# Altium PCB EVB-ANNA-B5x1_Certifi.PcbDoc (part 5 of 6)
Units mm, origin at the board's own origin, x right, y up, seen from the top; angles counter-clockwise.
Board outline 100 x 70 mm, 6 copper layers (L1, L2, L3, L4, L5, L6), stack 1.547 mm thick; 490 components, 296 nets, 1421 pads, 1473 vias.
Unrouted connection lines stored in the file: 3.
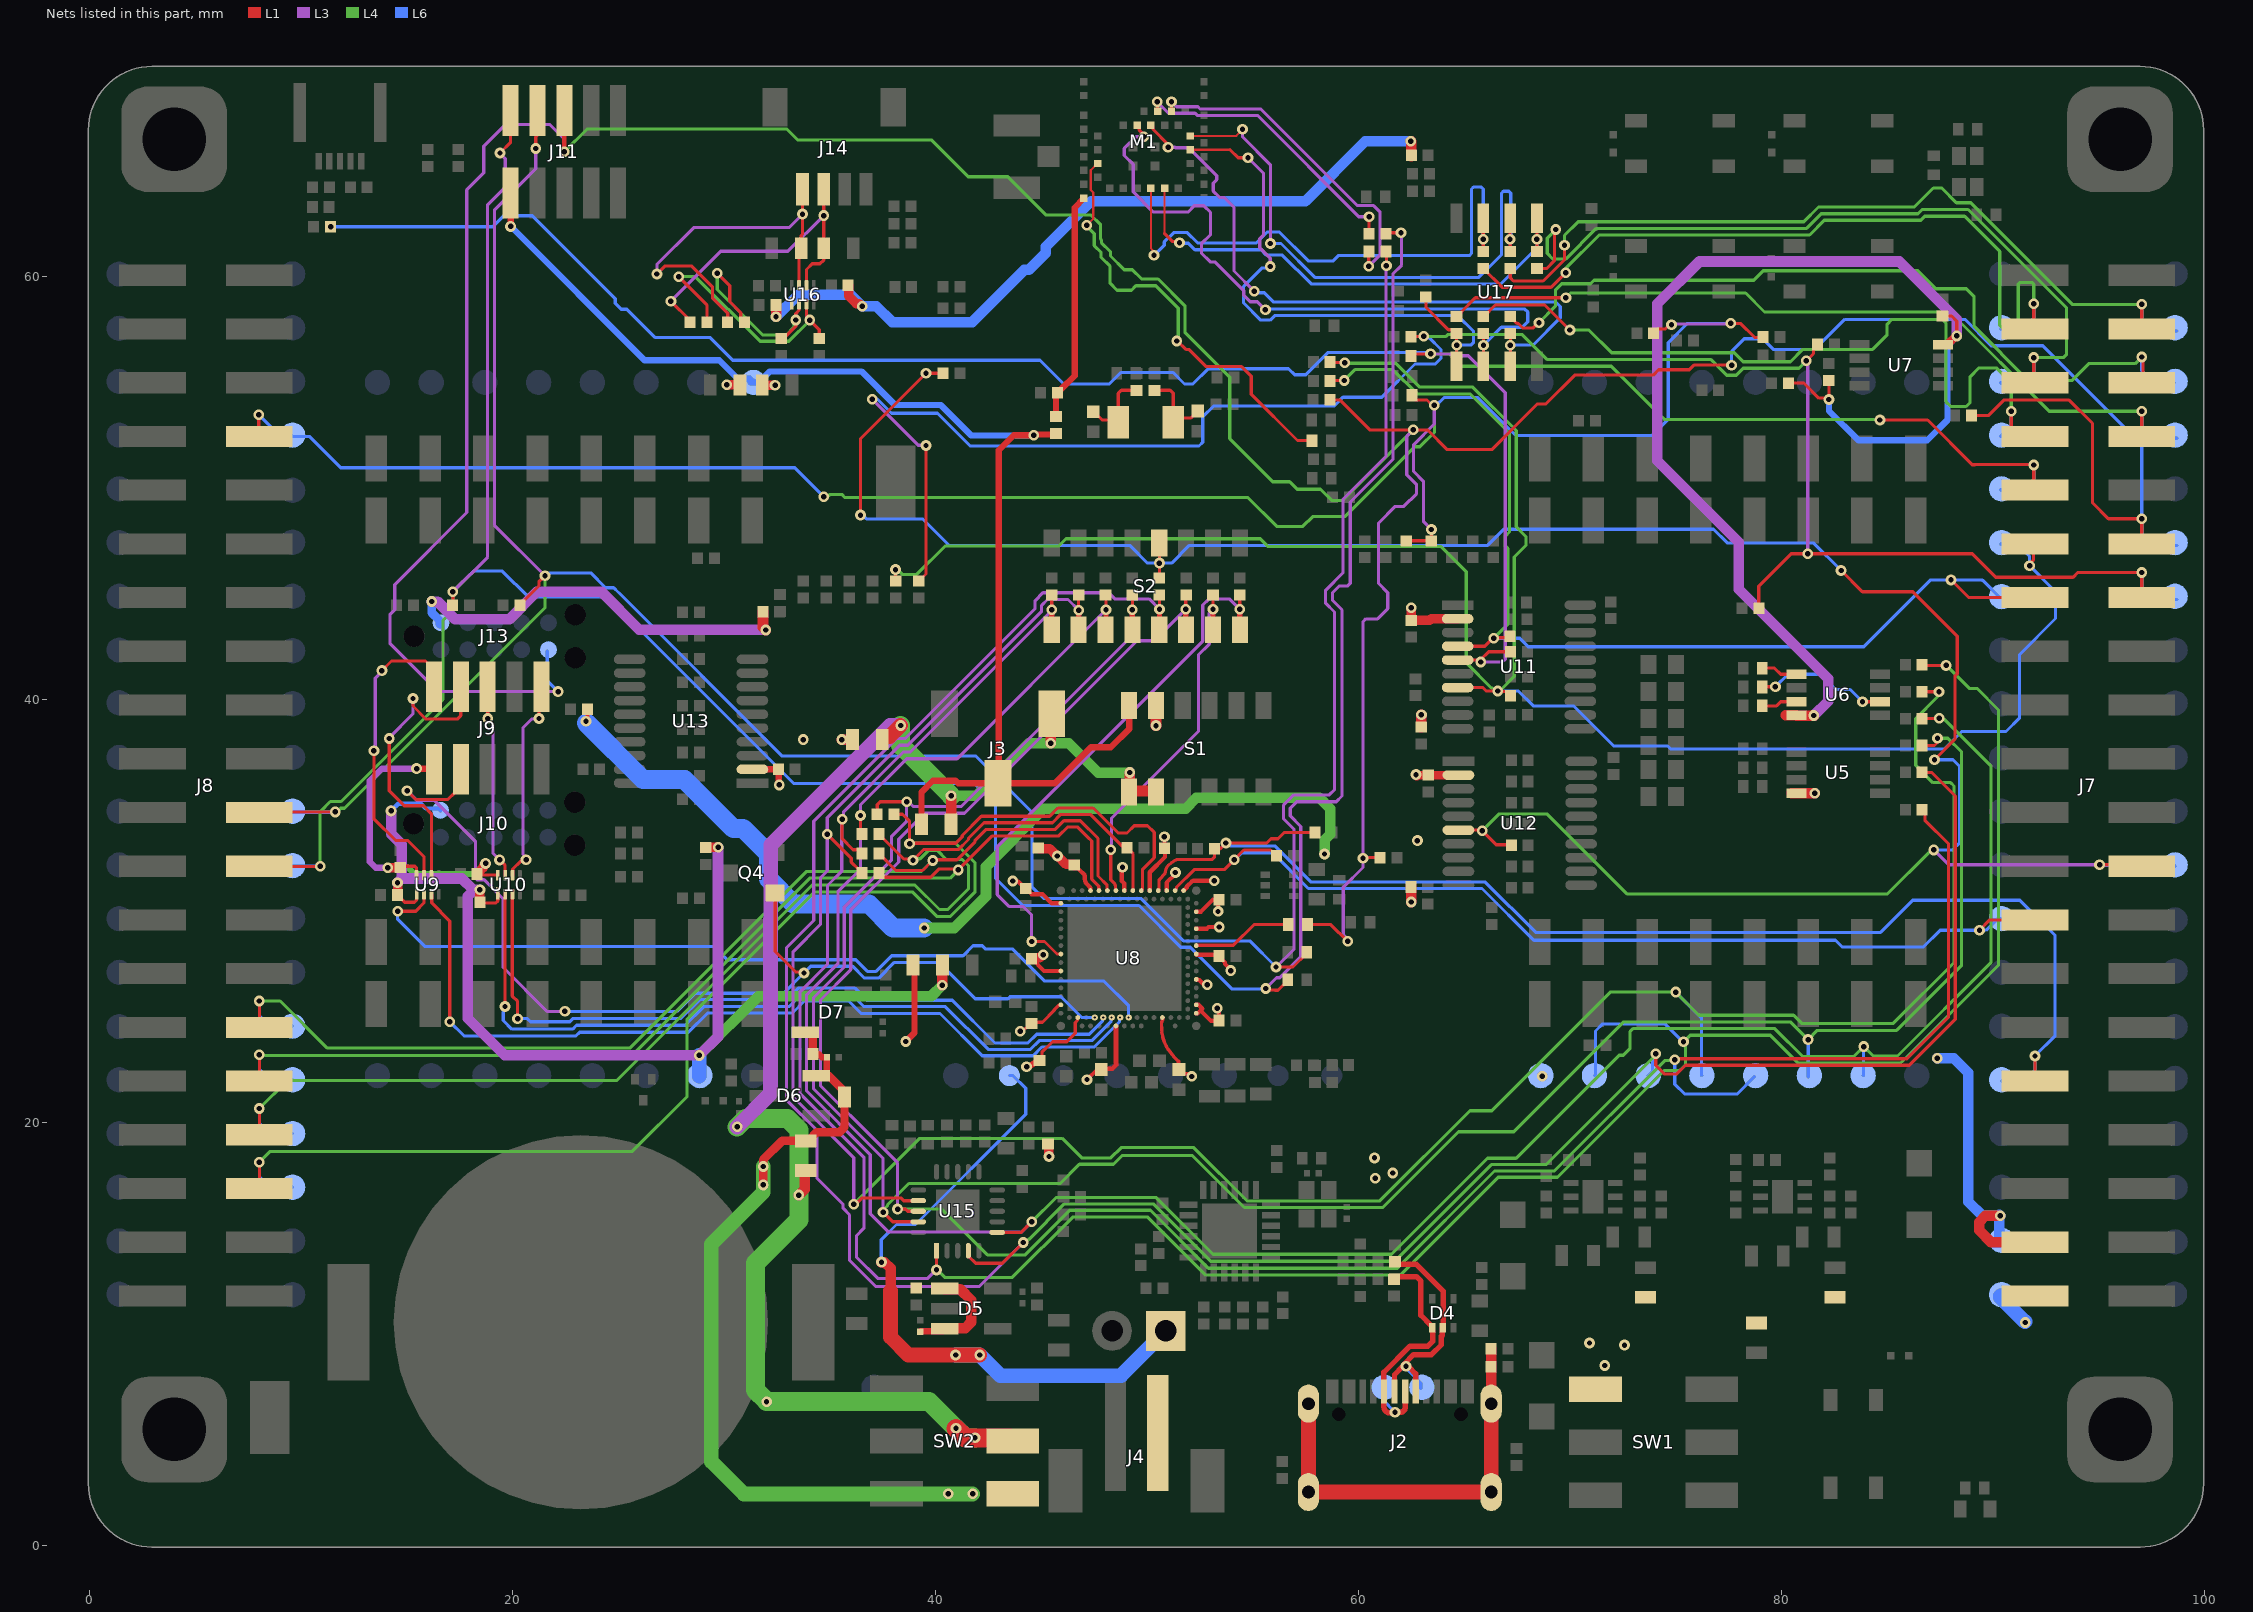
[diagram p9: the nets of this part, all layers, seen from the top]

## Via types
v1: diameter 0.508, hole 0.254, L1 to L6, 1120 vias
v2: diameter 0.5, hole 0.25, L1 to L6, 348 vias
v3: diameter 0.3, hole 0.1, L1 to L6, tented top, 5 vias

## Nets (pads, with @x,y where several pads share a name; then routed paths per layer and width w, separated by ;. In a path a pad name is that pad's centre, name@x,y a point inside that pad or via, vN(x,y) a via of type N, cw(c..) or ccw(c..) an arc to the next point about the centre after c; other vN are vias at no path point) (continued)
P1.14/WAKE-HOST: J7.24 R16.1 R114.2 R138.2 S2.12 TP67.1 U12.6 | length 119.3
  L1 w0.15: v1(36.45,48.73) 36.45,52.342 39.508,55.399 39.508,55.438 v1(39.546,55.438) R16.1@40.346,55.438 ; v1(50.58,46.459) S2.12@50.58,47.403 ; R138.2@50.583,45.785 v1@50.583,46.52 ; U12.6@64.718,33.834 65.82,33.834 66.509,33.145 67.193,33.145 R114.2@67.218,33.12 ; v1(82.81,46.11) 83.817,45.103 86.201,45.103 88.298,43.006 88.298,42.757 88.3,42.755 88.3,41.226 88.189,41.116 88.189,38.124 v1(87.227,37.162) ; v1(95.031,32.202) 96.953,32.202 J7.24@97.025,32.13
  L3 w0.15: v1(87.195,32.901) 87.894,32.202 v1(95.031,32.202)
  L4 w0.15: v1(65.843,33.8) 66.645,34.603 68.897,34.603 72.68,30.82 85.004,30.82 86.951,32.767 86.964,32.767 87.098,32.901 v1(87.195,32.901)
  L6 w0.15: v1(36.45,48.73) 36.547,48.73 36.724,48.552 39.377,48.552 40.63,47.3 49.176,47.3 50.017,46.459 v1(50.58,46.459) 51.159,46.459 52,47.3 66.098,47.3 66.858,48.06 76.777,48.06 77.419,47.418 81.502,47.418 v1(82.81,46.11) ; v1(87.195,32.901) 88.076,32.901 88.422,33.247 88.422,36.841 88.101,37.162 v1(87.227,37.162) ; v1(95.031,32.202) 95.067,32.167 98.562,32.167 TP67.1@98.599,32.13
P1.15/LED_RED/SW4: J8.8 R13.2 R70.2 R103.2 R113.2 R172.2 TP92.1 | length 96.9
  L1 w0.15: v1(7.996,53.477) 7.996,52.447 J8.8@8.025,52.419 ; R103.2@62.252,47.514 R113.2@63.431,47.514 63.44,47.522 v1(63.44,48.051) ; R13.2@62.616,54.399 62.616,54.256 62.698,54.174 63.231,54.174 63.48,53.925 v1(63.577,53.925) ; R172.2@73.95,57.331 73.95,57.346 74.135,57.531 74.496,57.531 74.692,57.727 v1(74.789,57.727) ; v1(77.595,57.795) 78.051,57.795 78.715,57.131 79.103,57.131 R70.2@79.124,57.152
  L3 w0.15: v1(63.44,48.051) 63.06,48.431 63.06,50.332 62.6,50.792 62.6,52.058 63.577,53.035 v1(63.577,53.925) ; v1(74.789,57.727) 74.823,57.761 77.561,57.761 v1(77.595,57.795)
  L4 w0.15: v1(34.706,49.603) 34.774,49.671 34.977,49.671 35.017,49.711 35.559,49.711 35.715,49.555 54.766,49.555 56.124,48.198 57.362,48.198 57.821,48.657 59.343,48.657 62.643,51.958 62.888,51.958 63.59,52.66 63.59,53.912 v1(63.577,53.925)
  L6 w0.15: v1(7.996,53.477) 8.934,52.539 ; TP92.1@9.297,52.177 8.934,52.539 ; TP92.1@9.506,52.539 8.934,52.539 ; TP92.1@9.571,52.451 10.392,52.451 11.873,50.97 33.339,50.97 v1(34.706,49.603) ; v1(63.577,53.925) 63.674,53.925 64.039,54.291 65.637,54.291 67.435,52.493 73.861,52.493 74.635,53.267 74.635,56.884 75.546,57.795 v1(77.595,57.795)
P2.00: J7.3 R181.1 TP46.1 | length 38.8
  L1 w0.15: R181.1@65.887,60.383 65.902,60.383 66.786,59.499 69.102,59.499 v1(69.792,60.189) ; J7.3@91.921,57.559 v1(91.921,58.717)
  L4 w0.15: v1(69.792,60.189) 69.792,60.4 71.367,61.975 81.321,61.975 82.013,62.667 86.576,62.667 86.769,62.86 88.651,62.86 90.311,61.2 90.311,57.712 90.454,57.569 91.042,57.569 91.188,57.714 91.188,59.645 91.273,59.73 91.828,59.73 91.921,59.637 v1(91.921,58.717)
  L6 w0.15: TP46.1@90.347,57.531 91.421,57.531 91.921,58.031 v1(91.921,58.717)
P2.00/QSPI_IO3: M1.24 R181.2 U17.7 | length 27.5
  L1 w0.1: M1.24@50.175,64.19 50.175,61.342 50.247,61.27 50.247,61.096 v1(50.325,61.018)
  L1 w0.15: R181.2@65.887,61.183 v1(65.888,61.773) U17.7@65.888,62.762
  L6 w0.15: v1(50.325,61.018) 50.338,61.018 50.812,61.492 50.812,61.649 51.25,62.088 51.897,62.088 52.389,61.596 55.157,61.596 55.677,62.115 56.25,62.115 57.615,60.751 58.803,60.751 59.062,61.011 65.25,61.011 65.338,61.099 65.338,64.149 65.426,64.237 65.8,64.237 65.888,64.149 v1(65.888,61.773)
P2.01: J7.4 R189.2 TP47.1 | length 39
  L1 w0.15: R189.2@67.165,60.383 67.165,59.951 67.318,59.799 68.723,59.799 69.733,60.809 v1(69.733,61.483) ; J7.4@97.025,57.499 J7.4@97.025,57.53 v1(97.025,58.701)
  L4 w0.15: v1(69.733,61.483) 69.733,61.953 70.382,62.602 81.043,62.602 81.74,63.299 86.277,63.299 87.173,64.195 87.568,64.195 88.263,63.5 88.946,63.5 93.764,58.682 97.006,58.682 v1(97.025,58.701)
  L6 w0.15: v1@96.956,58.632 v1(97.025,58.701) 97.025,57.999 97.593,57.431 TP47.1@98.695,57.431
P2.01/QSPI_CLK: M1.39 R189.1 U17.6 | length 27.8
  L1 w0.1: M1.39@52.047,66.653 54.216,66.653 ; 54.216,66.66 54.51,66.953 v1(54.51,66.97)
  L1 w0.15: v1(67.158,61.773) U17.6@67.158,62.762 ; R189.1@67.165,61.183 v1@67.165,61.772
  L3 w0.15: v1(54.51,66.97) 54.51,66.613 55.829,65.294 v1(55.829,61.57)
  L6 w0.15: v1(55.829,61.57) 56.329,61.57 57.929,59.969 65.684,59.969 66.754,61.038 66.754,63.952 66.841,64.039 67.1,64.039 67.187,63.952 67.187,61.803 v1(67.158,61.773)
P2.02: J7.5 R186.1 TP49.1 | length 38.8
  L1 w0.15: R186.1@68.435,60.383 68.882,60.383 69.254,60.755 69.254,62.165 v1(69.32,62.231) ; J7.5@91.921,55.019 v1(91.921,56.177)
  L4 w0.15: v1(69.32,62.231) 68.916,61.827 68.916,61.11 69.191,60.835 69.787,60.835 71.238,62.287 81.179,62.287 81.873,62.981 86.445,62.981 86.641,63.177 88.813,63.177 93.47,58.52 93.47,56.326 93.321,56.177 v1(91.921,56.177)
  L6 w0.15: TP49.1@90.347,54.991 91.421,54.991 91.921,55.491 v1(91.921,56.177)
P2.02/QSPI_IO0: M1.25 R186.2 U17.5 | length 23.4
  L1 w0.1: 50.825,62.07 M1.25@50.825,64.174
  L1 w0.15: 50.825,62.07 50.825,62.03 51.184,61.671 51.461,61.671 v1@51.522,61.611 ; v1(68.428,61.773) U17.5@68.428,62.762 ; R186.2@68.435,61.183 v1@68.435,61.772
  L6 w0.15: v1(51.53,61.603) 51.548,61.584 51.951,61.584 52.26,61.276 55.387,61.276 55.64,61.022 56.393,61.022 57.756,59.659 66.728,59.659 68.428,61.359 v1(68.428,61.773)
P2.03: J7.6 R183.1 TP50.1 | length 38.8
  L1 w0.15: R183.1@67.165,58.109 67.18,58.109 67.365,57.924 67.365,57.909 67.48,57.794 67.533,57.794 67.746,57.581 68.046,57.581 68.259,57.581 68.504,57.826 v1(68.526,57.826) ; J7.6@97.025,54.99 97.079,55.044 97.079,56.15 v1(97.025,56.204) v1@97.025,56.176
  L4 w0.15: v1(68.526,57.826) 69.3,58.6 69.3,59.365 69.603,59.668 70.96,59.668 71.128,59.835 78.687,59.835 79.132,60.281 86.433,60.281 86.9,59.813 87.283,59.43 88.726,59.43 89.1,59.056 89.1,57.65 91.66,55.09 93.714,55.09 94.514,55.89 96.711,55.89 v1(97.025,56.204)
  L6 w0.15: v1(97.025,56.204) 97.025,55.56 97.594,54.991 TP50.1@98.546,54.991
P2.03/QSPI_IO2: M1.49 R183.2 U17.3 | length 30.4
  L1 w0.15: M1.49@50.175,67.165 50.275,67.065 50.275,66.97 51.002,66.243 v1@51.002,66.17 ; U17.3@67.172,55.776 v1(67.172,56.765) R183.2@67.172,57.355
  L3 w0.15: v1(50.99,66.12) 51.32,66.12 51.34,66.1 51.97,66.1 53.292,64.778 53.292,64.591 53.129,64.428 53.129,64.049 53.434,63.745 53.637,63.745 54.106,63.276 54.106,60.272 v1(55.067,59.311)
  L6 w0.15: v1(55.067,59.311) 55.136,59.243 55.535,59.243 55.979,58.798 69.326,58.798 69.534,58.59 69.534,58.057 68.242,56.765 v1(67.172,56.765)
P2.04: J7.7 R184.1 TP51.1 | length 37
  L1 w0.15: R184.1@65.895,58.109 65.91,58.109 66.463,58.662 68.807,58.662 v1(69.988,57.482) ; J7.7@90.854,52.479 v1(90.854,53.637)
  L4 w0.15: v1(69.988,57.482) 70.885,57.482 71.961,56.405 77.759,56.405 78.183,55.982 80.418,55.982 81.002,56.565 84.299,56.565 84.988,57.254 84.988,57.758 85.213,57.984 87.59,57.984 87.763,57.811 87.763,54.096 87.992,53.866 88.723,53.866 88.912,54.056 88.912,55.271 89.33,55.689 90.15,55.689 90.854,54.985 v1(90.854,53.637)
  L6 w0.15: TP51.1@90.354,52.451 90.854,52.951 v1(90.854,53.637)
P2.04/QSPI_IO1: M1.50 R184.2 U17.2 | length 31.8
  L1 w0.15: M1.50@49.525,67.165 49.625,67.065 49.625,66.931 49.85,66.706 v1@49.85,66.62 ; U17.2@65.902,55.776 v1(65.902,56.765) R184.2@65.902,57.355
  L3 w0.15: v1@49.871,66.65 49.841,66.62 49.472,66.62 48.918,66.066 48.918,65.732 49.34,65.31 49.34,64.012 50.296,63.056 51.932,63.056 52.231,63.354 52.685,63.354 52.996,63.044 52.996,61.981 52.566,61.551 52.566,61.12 52.985,60.701 53.205,60.701 54.57,59.336 54.57,59.116 54.866,58.82 55.214,58.82 v1(55.592,58.442)
  L6 w0.15: v1(55.592,58.442) 55.621,58.471 67.86,58.471 67.992,58.339 67.992,57.863 67.738,57.609 66.747,57.609 v1(65.902,56.765)
  other v1: 49.835,66.62
P2.05: J7.8 R187.2 TP52.1 | length 39
  L1 w0.15: R187.2@64.625,58.109 64.64,58.109 64.825,58.294 64.825,58.309 65.52,59.004 v1(69.799,59.004) ; J7.8@97.025,52.466 v1(97.025,53.636)
  L4 w0.15: v1(69.799,59.004) 70.023,59.228 78.293,59.228 79.19,58.332 87.959,58.332 92.654,53.637 v1(97.025,53.636)
  L6 w0.15: v1(97.025,53.636) 97.025,52.934 97.593,52.366 TP52.1@98.695,52.366
P2.05/QSPI_CS: M1.38 R187.1 R198.2 U17.1 | length 28
  L1 w0.1: M1.38@52.04,66.003 53.917,66.003
  L1 w0.15: 53.917,66.003 54.299,65.622 v1(54.768,65.622) ; R198.2@63.174,59.05 63.191,59.033 63.191,58.547 64.244,57.494 64.44,57.494 R187.1@64.625,57.309 ; U17.1@64.632,55.776 v1(64.632,56.765) R187.1@64.632,57.309
  L3 w0.15: v1(54.768,65.622) 55.507,64.883 55.507,61.99 55.321,61.805 55.321,61.373 55.818,60.877 v1(55.818,60.481)
  L6 w0.15: v1(55.818,60.481) 55.757,60.42 55.439,60.42 54.56,59.541 54.56,58.76 55.369,57.951 55.816,57.951 56.025,58.16 64.685,58.16 65.434,57.412 65.434,57.288 65.423,57.278 65.423,56.881 65.308,56.765 v1(64.632,56.765)
P2.06/SPI_CLK/TRACE_CLK: J7.9 R4.1 R99.2 R119.2 TP53.1 U11.5 | length 113.1
  L1 w0.15: R4.1@62.467,56.253 62.568,56.353 v1(63.401,56.353) ; U11.5@64.683,41.878 65.754,41.878 66.143,42.267 R99.2@67.183,42.267 ; v1(84.645,53.225) 86.898,53.225 89.013,51.111 89.137,51.111 89.145,51.119 91.899,51.119 v1(91.921,51.097) J7.9@91.921,49.939 ; J7.9@91.919,49.911 J7.9@91.949,49.941
  L3 w0.15: v1(63.401,56.353) 64.337,56.353 64.43,56.26 65.182,56.26 66.929,54.513 66.929,41.916 66.797,41.785 v1(65.767,41.785)
  L4 w0.15: v1(63.401,56.353) 64.273,56.353 64.857,55.769 71.951,55.769 74.477,53.243 84.627,53.243 v1(84.645,53.225)
  L6 w0.15: v1(11.396,62.36) 19.06,62.36 19.58,62.88 20.925,62.88 24.85,58.955 24.85,58.745 25.135,58.46 25.399,58.46 26.729,57.13 29.32,57.13 30.4,56.05 44.935,56.05 46.055,54.93 48.217,54.93 48.76,55.472 51.226,55.472 51.769,54.93 52.16,54.93 52.88,55.65 56.686,55.65 56.973,55.362 57.498,55.362 58.557,56.422 63.333,56.422 v1(63.401,56.353) ; TP53.1@90.346,49.911 TP53.1@90.361,49.926 ; TP53.1@90.347,49.911 91.421,49.911 91.921,50.411 v1(91.921,51.097)
P2.07/SPI_DCX/TRACE_D0/SWO: J7.12 J11.6 J13.6 R9.1 R74.2 R93.1 R117.2 TP55.1 | length 191.1
  L1 w0.15: R93.1@57.53,29.37 R93.1@57.58,29.37 58.687,29.37 v1(59.481,28.576) ; R9.1@58.648,54.189 58.658,54.179 59.11,54.179 60.529,52.76 v1(62.582,52.76) 63.254,52.76 64.187,51.827 66.293,51.827 68.454,53.988 68.858,53.988 70.217,55.346 73.924,55.346 74.177,55.599 75.628,55.599 75.848,55.819 v1(77.633,55.819) ; v1(60.208,32.507) 60.235,32.534 60.961,32.534 60.987,32.56 R117.2@61.019,32.528 ; R74.2@88.973,53.436 89.765,53.436 90.498,54.168 93.592,54.168 94.696,53.064 94.696,49.31 95.45,48.556 v1(97.025,48.556) J7.12@97.025,47.386
  L1 w0.2: v1(22.446,65.909) J11.6@22.446,67.859
  L3 w0.15: v1(22.151,40.386) 16.48,40.386 14.195,42.671 14.195,44.023 14.424,44.252 14.424,45.444 17.83,48.851 17.83,64.107 18.636,64.913 18.636,66.167 19.66,67.191 21.765,67.191 22.446,66.51 v1(22.446,65.909) ; v1(59.481,28.576) 59.481,28.673 59.271,28.882 59.271,31.131 60.208,32.068 v1(60.208,32.507) 60.208,43.693 60.34,43.825 60.895,43.825 61.38,44.31 61.38,45.06 60.94,45.5 60.94,48.35 61.73,49.14 62.132,49.14 62.74,49.748 62.74,50.172 62.275,50.637 62.275,52.453 v1(62.582,52.76)
  L4 w0.15: v1(22.446,65.909) 23.522,66.985 32.958,66.985 33.471,66.472 39.802,66.472 41.543,64.73 43.408,64.73 45.226,62.912 47.347,62.912 47.801,62.457 47.801,61.777 47.835,61.744 47.835,61.615 48.267,61.183 48.267,60.98 48.919,60.328 49.302,60.328 49.737,59.893 50.517,59.893 51.783,58.627 51.783,57.37 53.902,55.25 53.902,52.344 55.941,50.305 56.734,50.305 57.089,49.95 57.793,49.95 58.196,49.95 58.722,49.424 59.246,49.424 v1(62.582,52.76)
  L6 w0.15: J13.6@21.64,42.308 21.64,40.896 v1(22.151,40.386) ; v1(77.633,55.819) 77.633,56.47 78.234,57.072 79.095,57.072 79.601,56.565 81.571,56.565 82.989,57.984 88.667,57.984 89.911,56.74 92.346,56.74 97.025,52.061 v1(97.025,48.556) 97.025,47.854 97.593,47.286 TP55.1@98.695,47.286
P2.08/SPI_MOSI/TRACE_D1: J7.11 R8.1 R102.2 R123.2 TP54.1 U11.7 | length 99.2
  L1 w0.15: v1(38.105,46.152) 38.105,45.612 R123.2@38.112,45.605 ; R8.1@58.678,55.944 59.328,55.944 v1(59.338,55.934) ; U11.7@64.683,40.578 65.868,40.578 66.033,40.413 v1(66.572,40.413) 66.596,40.389 67.005,40.389 67.19,40.204 R102.2@67.19,40.189 ; v1(91.723,46.338) 91.723,46.435 91.911,46.623 91.911,47.363 J7.11@91.919,47.371
  L4 w0.15: v1(38.105,46.152) 38.188,46.152 38.416,45.925 39.106,45.925 40.449,47.268 45.823,47.268 46.164,47.61 55.351,47.61 55.719,47.243 63.897,47.243 65.09,46.05 65.09,41.74 66.275,40.555 66.333,40.555 66.475,40.413 v1(66.572,40.413) 66.665,40.413 67.36,41.108 67.36,46.75 67.914,47.304 67.914,47.706 67.45,48.17 67.45,52.727 65.397,54.78 62.88,54.78 61.75,55.91 59.362,55.91 v1(59.338,55.934)
  L6 w0.15: v1(66.572,40.413) 67.553,40.413 68.257,39.709 70.16,39.709 72.058,37.812 74.607,37.812 74.749,37.67 87.688,37.67 88.516,38.498 90.607,38.498 91.25,39.142 91.25,42.139 92.949,43.839 92.949,45.111 v1(91.723,46.338) 91.723,46.77 91.137,47.356 90.361,47.356 TP54.1@90.346,47.371
P2.09/SPI_MISO/TRACE_D2: J7.14 R7.1 R69.2 R100.2 R121.2 TP58.1 | length 95.9
  L1 w0.15: R121.2@39.21,45.609 39.546,45.944 v1(39.546,52.022) ; R7.1@62.309,57.181 v1(63.081,57.181) ; R100.2@78.92,44.319 78.92,45.37 80.449,46.9 89.012,46.9 90.121,45.792 93.778,45.792 94.003,46.016 v1(97.025,46.016) J7.14@97.025,44.846 ; v1(81.167,56.023) 81.508,56.364 81.508,56.609 R69.2@81.693,56.794
  L3 w0.15: v1(37.004,54.213) 39.181,52.035 v1@39.533,52.035 ; v1(81.167,56.023) 81.234,55.956 v1(81.234,46.9) v1@81.244,46.89
  L4 w0.15: v1(63.081,57.181) 64.136,57.181 64.217,57.261 67.743,57.261 68.925,56.08 76.663,56.08 77.403,55.34 77.851,55.34 78.187,55.676 80.82,55.676 v1(81.167,56.023)
  L6 w0.15: v1(37.004,54.213) 37.249,54.213 37.912,53.549 40.086,53.549 41.637,51.998 52.452,51.998 52.63,52.176 52.63,53.373 53.147,53.89 58.846,53.89 59.257,54.301 61.094,54.301 62.665,55.872 63.629,55.872 63.895,56.137 63.895,56.557 63.339,57.112 63.15,57.112 v1(63.081,57.181) ; v1(97.025,46.016) 97.025,45.314 97.593,44.746 TP58.1@98.695,44.746
P2.10/SPI_CS/TRACE_D3: J7.13 R5.1 R98.2 TP57.1 U11.4 | length 52.7
  L1 w0.15: R5.1@58.677,55.047 58.727,55.096 v1(59.314,55.096) ; U11.4@64.683,42.528 65.959,42.528 66.34,42.909 v1(66.383,42.909) 66.405,42.931 67.089,42.931 R98.2@67.161,43.003 ; v1(88.009,45.666) 88.835,44.84 91.91,44.84 J7.13@91.919,44.831
  L4 w0.15: v1(59.314,55.096) 59.824,55.607 61.619,55.607 62.765,54.46 65.265,54.46 67.13,52.595 67.13,47.93 66.929,47.729 66.929,47.274 67.049,47.154 67.049,43.575 v1(66.383,42.909)
  L6 w0.15: v1(66.383,42.909) 67.617,42.909 68.021,42.505 83.884,42.505 87.045,45.666 v1(88.009,45.666) 89.424,45.666 cw(c89.424,45.516) 89.53,45.622 TP57.1@90.321,44.831
RESET_N: M1.12 R14.1 | length 20.7
  L1 w0.1: v1(47.148,62.433) 47.148,62.435 47.454,62.741 47.454,63.979 47.335,64.098 47.335,65.04 47.523,65.228 47.535,65.228 M1.12@47.66,65.353
  L1 w0.15: v1(51.402,56.964) 51.429,56.964 51.831,56.562 51.976,56.562 52.788,55.75 54.469,55.75 54.921,55.298 54.921,54.443 57.107,52.257 57.671,52.257 57.679,52.25 R14.1@57.711,52.25
  L4 w0.15: v1(47.148,62.433) 47.148,62.384 47.501,62.031 47.501,61.472 47.819,61.154 47.819,60.921 48.25,60.49 48.25,59.686 48.573,59.362 49.258,59.362 49.468,59.572 50.407,59.572 51.47,58.509 51.47,57.032 v1(51.402,56.964)
RTS: R66.1 U6.7 | length 1.7
  L1 w0.15: R66.1@79.081,39.71 79.762,39.71 79.955,39.903 80.697,39.903 U6.7@80.701,39.907
RXD: R67.1 U6.2 | length 6.3
  L1 w0.15: R67.1@79.09,40.608 79.097,40.615 v1(79.705,40.615) ; v1(83.82,39.903) U6.2@84.637,39.903
  L6 w0.15: v1(79.705,40.615) 80.298,41.207 81.845,41.207 82.567,40.485 83.239,40.485 v1(83.82,39.903)
SCL_1.8: R178.1 R185.2 U16.2 | length 10.7
  L1 w0.15: v1(29.673,60.17) 30.263,59.58 30.263,58.826 30.785,58.305 30.785,58.026 R185.2@30.97,57.841 ; R178.1@32.705,57.087 32.821,57.087 33.384,57.65 33.384,58.258 33.542,58.416 U16.2@33.542,58.696
  L4 w0.15: v1(29.673,60.17) 29.673,59.398 31.825,57.246 32.923,57.246 33.318,57.641 33.318,57.889 v1(33.383,57.954)
SCL_3.3: J14.4 R177.1 R185.1 U16.7 | length 18.1
  L1 w0.15: v1@26.826,60.131 27.195,60.5 28.471,60.5 29.446,59.526 29.446,59.003 30.17,58.279 R185.1@30.17,57.841 ; U16.7@33.542,59.596 33.542,61.239 R177.1@33.646,61.343 33.646,61.948 33.704,62.006 33.704,62.96 J14.4@33.704,64.138
  L3 w0.15: v1(26.822,60.127) 26.822,60.581 28.565,62.323 33.066,62.323 v1(33.703,62.96)
SDA_1.8: R179.1 R188.2 U16.3 | length 12.5
  L1 w0.15: v1(27.851,60.003) 29.186,58.668 R188.2@29.186,57.841 ; U16.3@33.892,58.696 33.892,58.105 v1(34.046,57.951) 34.498,57.499 R179.1@34.498,57.087
  L4 w0.15: v1(27.851,60.003) 28.644,60.003 31.701,56.946 33.061,56.946 34.046,57.931 v1(34.046,57.951)
SDA_3.3: J14.3 R176.1 R188.1 U16.6 | length 15.4
  L1 w0.15: v1(27.482,58.84) 28.386,57.937 R188.1@28.386,57.841 ; U16.6@33.892,59.596 33.892,60.34 34.163,60.611 34.529,60.611 34.706,60.788 R176.1@34.706,61.343 34.706,64.136 J14.3@34.704,64.138
  L3 w0.15: v1(27.482,58.84) 29.843,61.201 33.015,61.201 v1(34.705,62.891)
SHLDC: C12.2 J2.SHLD R42.1 | length 19.6
  L1 w0.5: R42.1@66.26,9.31 R42.1@66.26,9.31 66.261,8.469 66.264,8.466 J2.SHLD@66.264,6.723
  L1 w0.7: J2.SHLD@57.626,6.721 J2.SHLD@57.626,2.541 J2.SHLD@66.266,2.541 J2.SHLD@66.266,6.721 J2.SHLD@66.264,6.723
SWD0_CLK: U8.B18 U9.3 | length 41
  L1 w0.15: U9.3@16.16,30.799 16.172,30.787 16.172,30.393 17.03,29.535 v1(17.03,24.775)
  L6 w0.15: v1(17.03,24.775) 17.7,24.105 22.994,24.105 23.17,24.281 28.312,24.281 29.222,25.19 33.23,25.19 33.799,25.759 35.882,25.759 36.476,25.165 40.204,25.165 42.198,23.171 44.611,23.171 45.022,23.582 47.508,23.582 48.694,24.768 48.694,24.947 v3(48.723,24.976)
SWD0_IO: U8.B16 U9.2 | length 40
  L1 w0.15: v1(14.564,30.002) 15.416,30.002 15.81,30.396 U9.2@15.81,30.799
  L6 w0.15: v1(14.564,30.002) 14.564,29.613 15.838,28.339 29.511,28.339 30.14,27.71 36.219,27.71 36.771,27.158 37.187,27.158 37.927,27.898 41.297,27.898 41.769,28.37 42.213,28.37 42.373,28.21 43.646,28.21 45.16,26.696 47.958,26.696 49.123,25.532 v3(49.123,24.976)
SWD0_RESETn: U8.B22 U10.3 | length 36.1
  L1 w0.15: U10.3@19.995,30.807 19.983,30.795 19.983,25.987 20.234,25.735 v1(20.234,24.923)
  L6 w0.15: v1(20.234,24.923) 20.696,24.923 20.844,24.775 22.702,24.775 22.863,24.935 27.956,24.935 28.842,25.821 32.971,25.821 33.526,26.376 36.17,26.376 36.756,25.79 40.787,25.79 42.806,23.771 44.362,23.771 44.773,24.182 47.259,24.182 47.894,24.817 47.894,24.907 47.923,24.935 v3(47.923,24.976)
SWD0_SEL: J9.3 Q4.1 U8.B24 | length 50.7
  L1 w0.15: v1(15.011,35.699) 15.426,35.284 16.935,35.284 17.235,35.584 17.246,35.584 17.551,35.889 J9.3@17.551,36.709 ; Q4.1@32.415,30.868 32.415,28.098 33.383,27.13 33.724,27.13 v1(33.774,27.081)
  L3 w0.15: v1(15.011,35.699) 15.459,35.251 16.299,35.251 18.24,33.31 18.24,31.58 18.328,31.492 18.651,31.492 19.545,30.599 19.545,27.343 21.622,25.266 v1(22.473,25.266)
  L6 w0.15: v1(22.473,25.266) 27.777,25.266 28.632,26.121 32.814,26.121 v1(33.774,27.081) 34.093,27.401 36.075,27.401 36.638,26.838 37.306,26.838 38.049,27.581 40.149,27.581 41.866,25.864 43.428,25.864 43.521,25.958 45.925,25.958 46.907,24.976 v3(47.523,24.976)
SWD0_SWO: U8.B20 U10.2 | length 37.4
  L1 w0.15: v1(19.638,25.495) 19.641,25.499 19.641,30.803 U10.2@19.645,30.807
  L6 w0.15: v1(19.638,25.495) 19.569,25.426 19.569,25.24 19.557,25.228 19.557,24.833 19.964,24.426 22.837,24.426 23.018,24.606 28.15,24.606 29.034,25.49 33.068,25.49 33.643,26.066 36.036,26.066 36.612,25.49 40.462,25.49 42.481,23.471 44.487,23.471 44.898,23.882 47.384,23.882 48.294,24.793 48.294,24.947 v3(48.323,24.976)
SWD3_SWO: R93.2 U8.W1 | length 4.8
  L1 w0.15: U8.W1@52.323,28.376 52.337,28.39 54.073,28.39 55.052,29.37 R93.2@56.73,29.37
SWD_EXT_CLK: J9.4 U9.6 | length 14.5
  L1 w0.15: v1(14.164,38.17) 14.164,35.692 14.872,34.984 15.788,34.984 16.16,34.612 U9.6@16.16,31.699 ; v1(15.29,40.061) 15.29,39.702 15.906,39.086 17.387,39.086 17.551,39.25 J9.4@17.551,40.609
  L3 w0.15: v1(14.164,38.17) 14.164,38.204 15.29,39.33 v1(15.29,40.061)
SWD_EXT_IO: J9.2 U9.7 | length 14.8
  L1 w0.15: v1(13.442,37.586) 13.442,34.376 14.471,33.346 15.049,33.346 15.81,32.586 U9.7@15.81,31.699 ; v1(13.82,41.379) 14.273,41.832 15.878,41.832 16.281,41.429 J9.2@16.281,40.609
  L3 w0.15: v1(13.442,37.586) 13.508,37.652 13.508,41.014 13.82,41.326 v1(13.82,41.379)
SWD_EXT_RESETn: J9.10 U10.6 | length 10.6